# Altium PCB NURIP.PcbDoc (part 5 of 14) (continued)
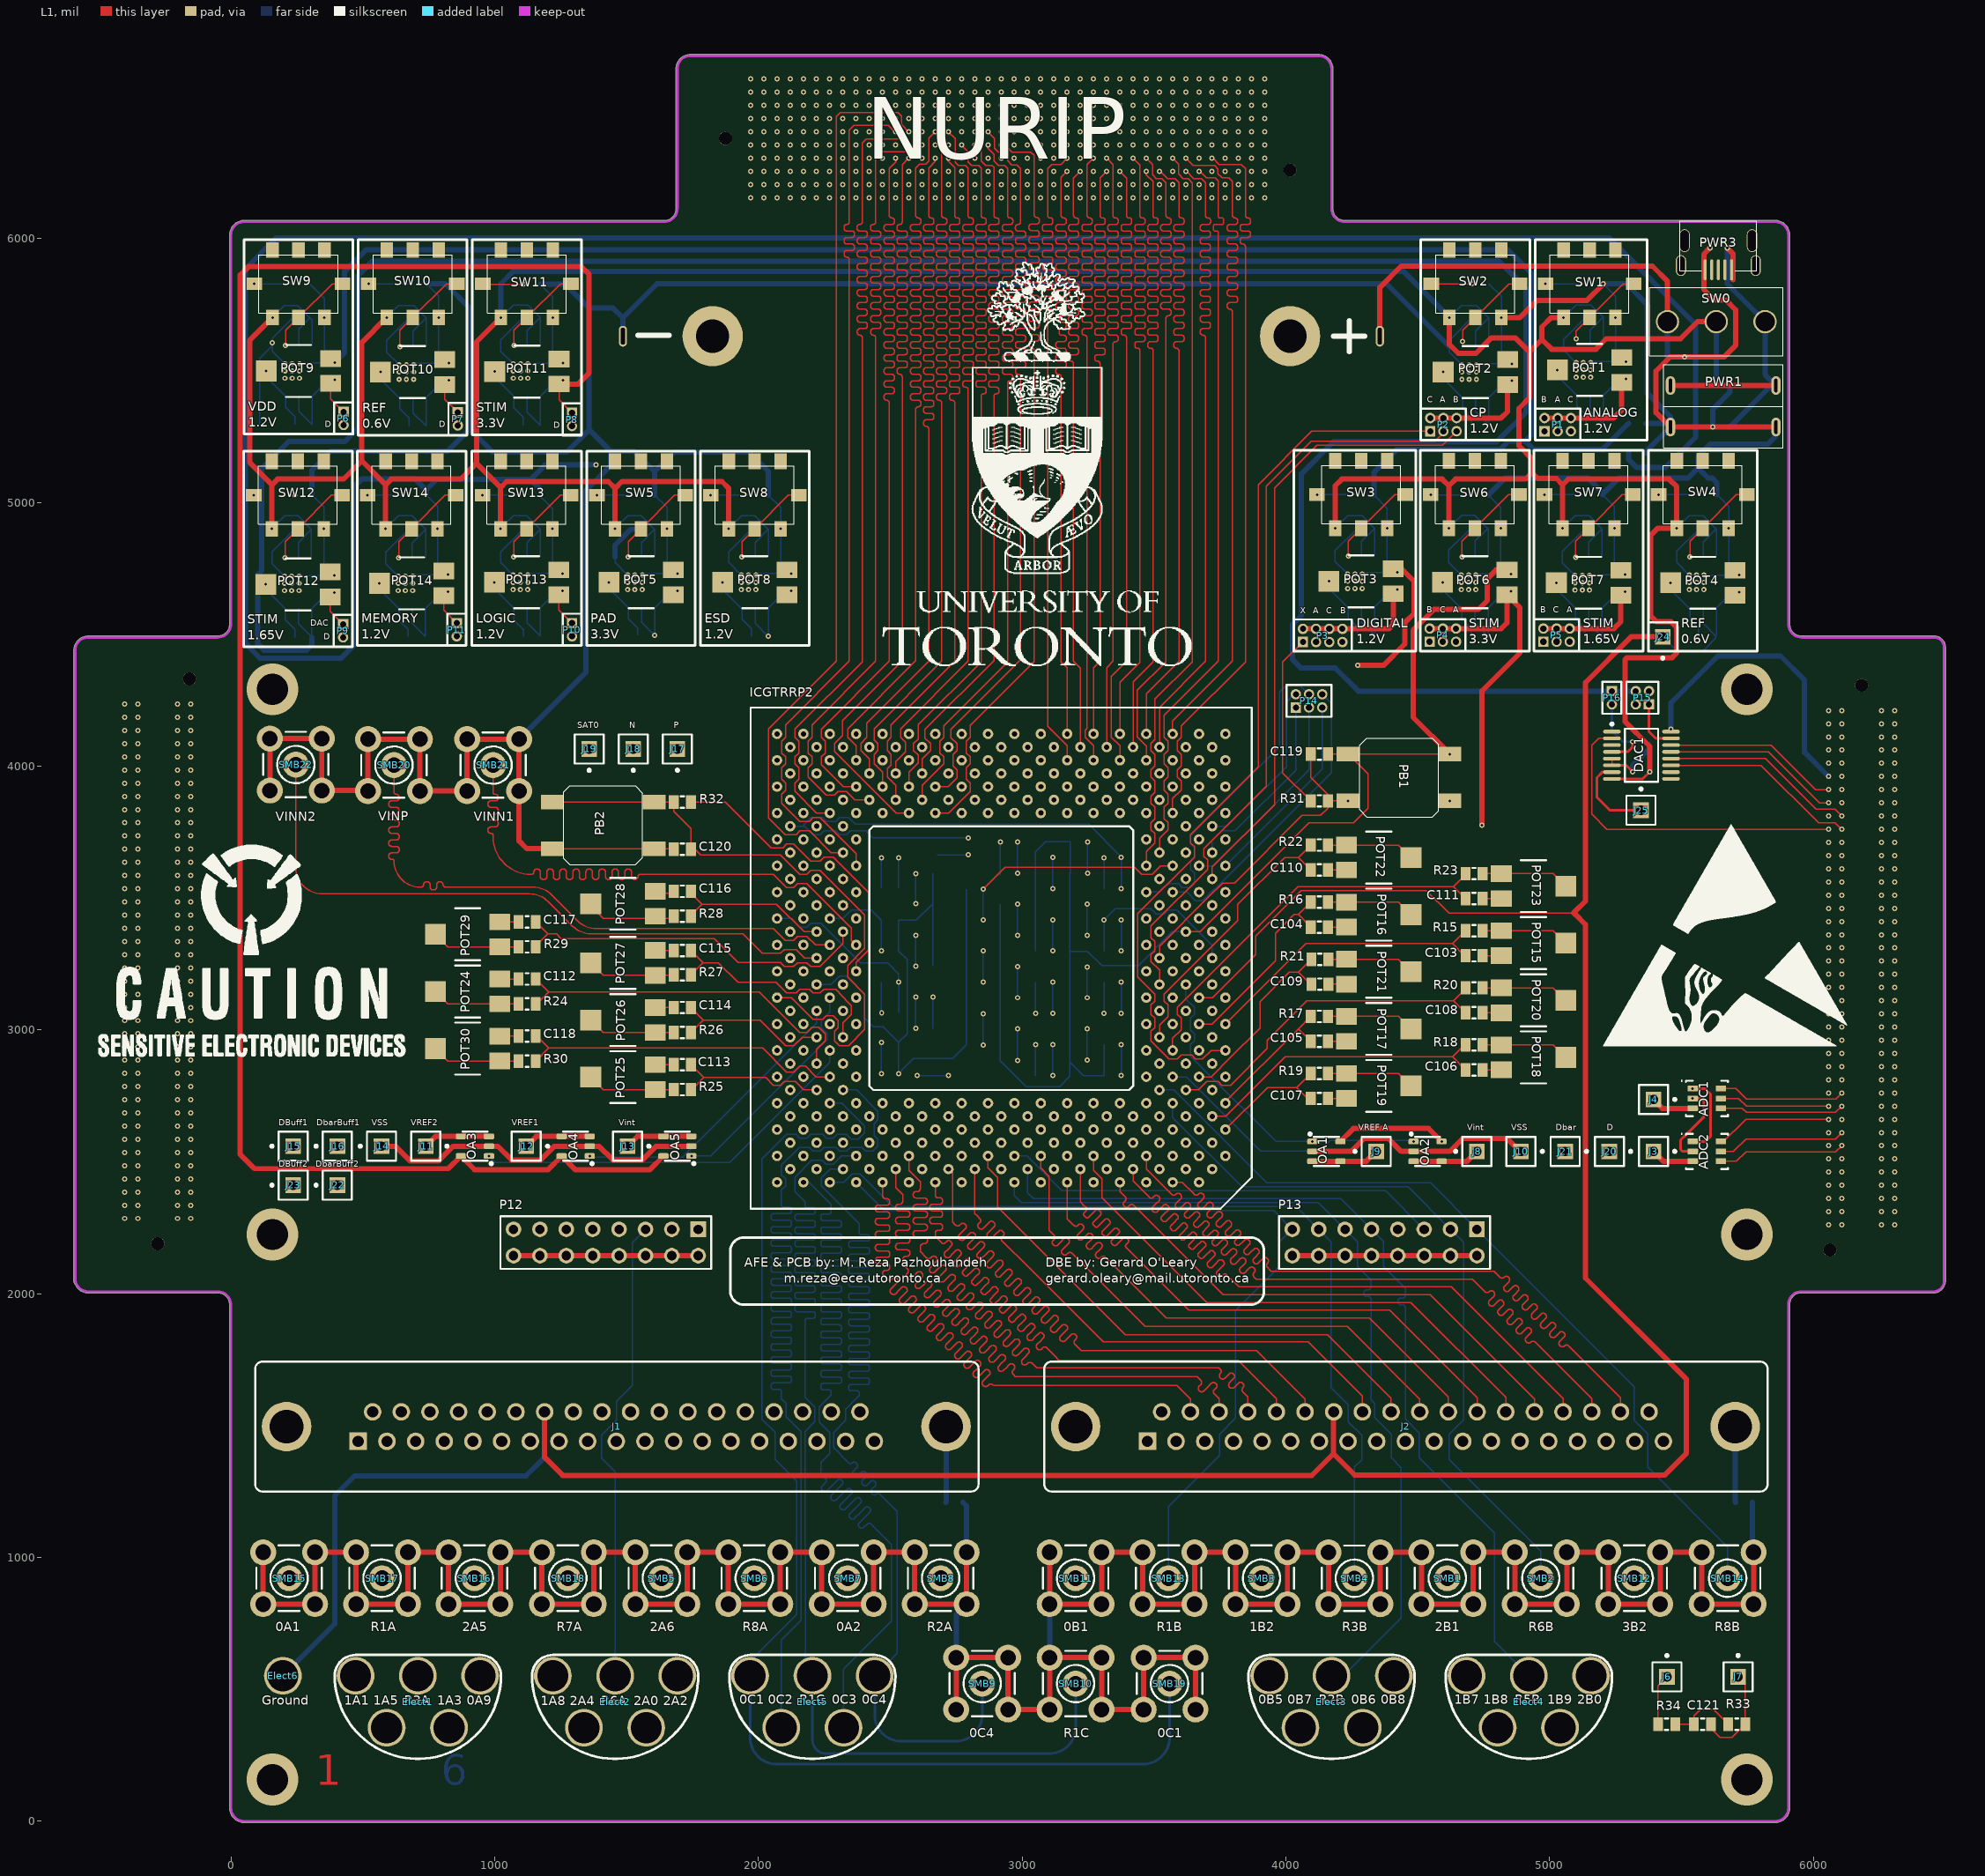
[diagram p0: L1 view]
## Nets (pads, with @x,y where several pads share a name; then routed paths per layer and width w, separated by ;. In a path a pad name is that pad's centre, name@x,y a point inside that pad or via, vN(x,y) a via of type N, cw(c..) or ccw(c..) an arc to the next point about the centre after c; other vN are vias at no path point) (continued)
2B5: ICGTRRP2.C15 J2.29 | length 2141.2
  L1 w5: ICGTRRP2.C15@3070.71,2522.2 3070.71,2476.69 3102.89,2444.5 3102.89,2239.63 3111.62,2230.9 3121.22,2221.3 cw(c3113.37,2213.44) 3121.22,2205.59 3117.44,2201.81 ccw(c3125.3,2193.96) 3117.44,2186.1 3119.19,2184.36 ccw(c3127.04,2192.21) 3134.9,2184.36 3146.53,2195.99 3158.16,2207.62 cw(c3166.02,2199.77) 3173.87,2207.62 3175.62,2205.88 cw(c3167.76,2198.02) 3175.62,2190.17 3163.99,2178.53 3152.35,2166.9 ccw(c3160.21,2159.05) 3152.35,2151.19 3154.1,2149.45 ccw(c3161.95,2157.3) 3169.81,2149.45 3173.59,2153.22 cw(c3181.44,2145.37) 3189.3,2153.22 3303.15,2039.37 3466.54,1875.98 4232.28,1875.98 4507.62,1600.65 J2.29@4507.62,1551.97
2B6: ICGTRRP2.B14 J2.11 | length 2148.5
  L5 w5: ICGTRRP2.B14@3120.71,2472.2 3120.71,2278.9 3129.44,2270.17 3139.04,2260.57 cw(c3131.18,2252.72) 3139.04,2244.86 3137.37,2243.19 ccw(c3145.22,2235.34) 3137.37,2227.48 3139.11,2225.74 ccw(c3146.97,2233.59) 3154.82,2225.74 3164.35,2235.26 3173.87,2244.78 cw(c3181.72,2236.93) 3189.58,2244.78 3191.32,2243.04 cw(c3183.47,2235.18) 3191.32,2227.33 3189.66,2225.66 ccw(c3197.51,2217.81) 3189.66,2209.95 3283.46,2116.14 3507.54,1892.07 4275.26,1892.07 4561.97,1605.35 J2.11@4561.97,1440.16
2B7: ICGTRRP2.A13 J2.30 | length 2148.5
  L1 w5: ICGTRRP2.A13@3170.71,2422.2 3170.71,2284.02 3194.88,2259.84 3195.75,2258.97 ccw(c3203.61,2266.82) 3211.46,2258.97 3213.16,2260.66 cw(c3221.01,2252.81) 3228.87,2260.66 3230.61,2258.92 cw(c3222.76,2251.06) 3230.61,2243.21 3221.06,2233.66 3211.52,2224.11 ccw(c3219.37,2216.26) 3211.52,2208.4 3213.26,2206.66 ccw(c3221.12,2214.51) 3228.97,2206.66 3238.52,2216.21 3248.07,2225.75 cw(c3255.92,2217.9) 3263.77,2225.75 3265.52,2224.01 cw(c3257.67,2216.15) 3265.52,2208.3 3255.97,2198.75 3246.43,2189.2 ccw(c3254.28,2181.35) 3246.43,2173.49 3248.17,2171.75 ccw(c3256.03,2179.6) 3263.88,2171.75 3273.43,2181.3 3282.98,2190.84 cw(c3290.83,2182.99) 3298.68,2190.84 3300.43,2189.1 cw(c3292.58,2181.24) 3300.43,2173.39 3290.88,2163.84 3281.34,2154.29 ccw(c3289.19,2146.44) 3281.34,2138.58 3283.08,2136.84 ccw(c3290.94,2144.69) 3298.79,2136.84 3300.48,2138.53 cw(c3308.34,2130.68) 3316.19,2138.53 3381.89,2072.83 3547.24,1907.48 4316.93,1907.48 4616.32,1608.09 J2.30@4616.32,1551.97
2B8: ICGTRRP2.C13 J2.12 | length 2148.5
  L5 w5: ICGTRRP2.C13@3170.71,2522.2 3170.71,2467.72 3202.89,2435.54 3202.89,2312.85 3593.68,1922.07 4353.52,1922.07 4670.67,1604.92 J2.12@4670.67,1440.16
2B9: ICGTRRP2.A5 J2.36 | length 3139.1
  L1 w5: ICGTRRP2.A5@3570.71,2422.2 3607.32,2422.2 3651.57,2377.95 3652.45,2377.08 ccw(c3660.3,2384.93) 3668.16,2377.08 3669.15,2378.07 cw(c3677.01,2370.22) 3684.86,2378.07 3686.61,2376.33 cw(c3678.75,2368.47) 3686.61,2360.62 3677.76,2351.77 3668.91,2342.92 ccw(c3676.76,2335.07) 3668.91,2327.21 3670.65,2325.47 ccw(c3678.51,2333.32) 3686.36,2325.47 3695.21,2334.32 3704.06,2343.16 cw(c3711.92,2335.31) 3719.77,2343.16 3721.52,2341.42 cw(c3713.66,2333.56) 3721.52,2325.71 3712.67,2316.86 3703.82,2308.01 ccw(c3711.67,2300.16) 3703.82,2292.3 3705.56,2290.56 ccw(c3713.42,2298.41) 3721.27,2290.56 3730.12,2299.41 3738.97,2308.25 cw(c3746.83,2300.4) 3754.68,2308.25 3756.43,2306.51 cw(c3748.57,2298.65) 3756.43,2290.8 3747.58,2281.95 3738.73,2273.1 ccw(c3746.58,2265.25) 3738.73,2257.39 3740.47,2255.65 ccw(c3748.33,2263.5) 3756.18,2255.65 3765.03,2264.5 3773.88,2273.34 cw(c3781.74,2265.49) 3789.59,2273.34 3791.34,2271.6 cw(c3783.48,2263.74) 3791.34,2255.89 3782.49,2247.04 3773.64,2238.19 ccw(c3781.49,2230.34) 3773.64,2222.48 3775.38,2220.74 ccw(c3783.24,2228.59) 3791.09,2220.74 3799.94,2229.59 3808.79,2238.43 cw(c3816.65,2230.58) 3824.5,2238.43 3826.25,2236.69 cw(c3818.39,2228.83) 3826.25,2220.98 3817.4,2212.13 3808.55,2203.28 ccw(c3816.4,2195.43) 3808.55,2187.57 3810.29,2185.83 ccw(c3818.15,2193.68) 3826,2185.83 3834.85,2194.68 3843.7,2203.52 cw(c3851.55,2195.67) 3859.41,2203.52 3861.16,2201.78 cw(c3853.3,2193.92) 3861.16,2186.07 3852.31,2177.22 3843.46,2168.37 ccw(c3851.31,2160.52) 3843.46,2152.66 3845.2,2150.92 ccw(c3853.06,2158.77) 3860.91,2150.92 3869.76,2159.77 3878.61,2168.61 cw(c3886.46,2160.76) 3894.32,2168.61 3896.06,2166.87 cw(c3888.21,2159.01) 3896.06,2151.16 3887.22,2142.31 3878.37,2133.46 ccw(c3886.22,2125.61) 3878.37,2117.75 3880.11,2116.01 ccw(c3887.97,2123.86) 3895.82,2116.01 3904.67,2124.86 3913.52,2133.7 cw(c3921.37,2125.85) 3929.23,2133.7 3930.97,2131.96 cw(c3923.12,2124.1) 3930.97,2116.25 3929.98,2115.26 ccw(c3937.84,2107.4) 3929.98,2099.55 3939.58,2089.95 3944.88,2084.65 4789.37,2084.65 4811.02,2062.99 4811.9,2062.12 ccw(c4819.75,2069.97) 4827.61,2062.12 4827.97,2062.48 cw(c4835.82,2054.63) 4843.68,2062.48 4845.42,2060.74 cw(c4837.57,2052.88) 4845.42,2045.03 4837.21,2036.81 4828.99,2028.59 ccw(c4836.84,2020.74) 4828.99,2012.88 4830.73,2011.14 ccw(c4838.59,2018.99) 4846.44,2011.14 4854.66,2019.35 4862.88,2027.57 cw(c4870.73,2019.72) 4878.59,2027.57 4880.33,2025.83 cw(c4872.48,2017.97) 4880.33,2010.12 4872.12,2001.9 4863.9,1993.68 ccw(c4871.75,1985.83) 4863.9,1977.97 4865.64,1976.23 ccw(c4873.5,1984.08) 4881.35,1976.23 4889.57,1984.45 4897.79,1992.66 cw(c4905.64,1984.81) 4913.5,1992.66 4915.24,1990.92 cw(c4907.39,1983.06) 4915.24,1975.21 4907.03,1966.99 4898.81,1958.77 ccw(c4906.66,1950.92) 4898.81,1943.06 4900.55,1941.32 ccw(c4908.41,1949.17) 4916.26,1941.32 4924.48,1949.54 4932.7,1957.75 cw(c4940.55,1949.9) 4948.41,1957.75 4950.15,1956.01 cw(c4942.3,1948.15) 4950.15,1940.3 4941.94,1932.08 4933.72,1923.86 ccw(c4941.57,1916.01) 4933.72,1908.15 4935.46,1906.41 ccw(c4943.32,1914.26) 4951.17,1906.41 4959.39,1914.63 4967.61,1922.84 cw(c4975.46,1914.99) 4983.32,1922.84 4985.06,1921.1 cw(c4977.21,1913.24) 4985.06,1905.39 4976.85,1897.17 4968.63,1888.95 ccw(c4976.48,1881.1) 4968.63,1873.24 4970.37,1871.5 ccw(c4978.23,1879.35) 4986.08,1871.5 4994.3,1879.72 5002.52,1887.93 cw(c5010.37,1880.08) 5018.23,1887.93 5019.97,1886.19 cw(c5012.12,1878.33) 5019.97,1870.48 5011.76,1862.26 5003.54,1854.04 ccw(c5011.39,1846.19) 5003.54,1838.33 5005.28,1836.59 ccw(c5013.14,1844.44) 5020.99,1836.59 5029.21,1844.81 5037.43,1853.02 cw(c5045.28,1845.17) 5053.14,1853.02 5054.88,1851.28 cw(c5047.03,1843.42) 5054.88,1835.57 5046.67,1827.35 5038.45,1819.13 ccw(c5046.3,1811.28) 5038.45,1803.42 5040.19,1801.68 ccw(c5048.05,1809.53) 5055.9,1801.68 5056.27,1802.04 cw(c5064.12,1794.19) 5071.97,1802.04 5118.11,1755.91 5268.52,1605.49 J2.36@5268.52,1551.97
3A0: ICGTRRP2.E17 J1.10 | length 3333.7
  L3 w5: J1.10@1461.14,1440.16 1461.14,1610.75 1726.02,1875.63 1738.19,1875.63 1789.84,1875.63 cw(c1789.84,1872.97) 1792.5,1872.97 ; 1792.5,1872.98 1792.5,1873.15 ccw(c1804.84,1873.16) 1804.84,1860.82 ccw(c1804.84,1873.16) 1817.19,1873.16 1817.19,1875.63 1817.19,1878.1 cw(c1829.53,1878.1) 1829.53,1890.44 cw(c1829.53,1878.1) 1841.87,1878.1 1841.87,1875.63 1841.87,1873.16 ccw(c1854.21,1873.16) 1854.21,1860.82 ccw(c1854.21,1873.16) 1866.56,1873.16 1866.56,1875.63 1866.56,1878.1 cw(c1878.9,1878.1) 1878.9,1890.44 cw(c1878.9,1878.1) 1891.24,1878.1 1891.24,1875.63 1891.24,1873.16 ccw(c1903.58,1873.16) 1903.58,1860.82 ccw(c1903.58,1873.16) 1915.93,1873.16 1915.93,1875.63 1915.93,1878.1 cw(c1928.27,1878.1) 1928.27,1890.44 cw(c1928.27,1878.1) 1940.61,1878.1 1940.61,1875.63 1940.61,1873.16 ccw(c1952.95,1873.16) 1952.95,1860.82 ccw(c1952.95,1873.16) 1965.3,1873.16 1965.3,1875.63 1965.3,1878.1 cw(c1977.64,1878.1) 1977.64,1890.44 cw(c1977.64,1878.1) 1989.98,1878.1 1989.98,1875.63 1989.98,1873.16 ccw(c2002.32,1873.16) 2002.32,1860.82 ccw(c2002.32,1873.16) 2014.67,1873.16 2014.67,1875.63 2014.67,1878.1 cw(c2027.01,1878.1) 2027.01,1890.44 cw(c2027.01,1878.1) 2039.35,1878.1 2039.35,1875.63 2039.35,1873.16 ccw(c2051.69,1873.16) 2051.69,1860.82 ccw(c2051.69,1873.16) 2064.04,1873.16 2064.04,1875.63 2064.04,1878.1 cw(c2076.38,1878.1) 2076.38,1890.44 cw(c2076.38,1878.1) 2088.72,1878.1 2088.72,1875.63 2088.72,1873.16 ccw(c2101.06,1873.16) 2101.06,1860.82 ccw(c2101.06,1873.16) 2113.41,1873.16 2113.41,1875.63 2113.41,1878.1 cw(c2125.75,1878.1) 2125.75,1890.44 cw(c2125.75,1878.1) 2138.09,1878.1 2138.09,1875.63 2138.09,1873.16 ccw(c2150.43,1873.16) 2150.43,1860.82 ccw(c2150.43,1873.16) 2162.78,1873.16 2162.78,1875.63 2162.78,1878.1 cw(c2175.12,1878.1) 2175.12,1890.44 cw(c2175.12,1878.1) 2187.46,1878.1 2187.46,1875.63 2187.46,1873.16 ccw(c2199.8,1873.16) 2199.8,1860.82 ccw(c2199.8,1873.16) 2212.15,1873.16 2212.15,1875.63 2212.15,1878.1 cw(c2224.49,1878.1) 2224.49,1890.44 cw(c2224.49,1878.1) 2236.83,1878.1 2236.83,1875.63 2236.83,1873.16 ccw(c2249.17,1873.16) 2249.17,1860.82 ccw(c2249.17,1873.16) 2261.52,1873.16 2261.52,1875.63 2261.52,1878.1 cw(c2273.86,1878.1) 2273.86,1890.44 cw(c2273.86,1878.1) 2286.2,1878.1 2286.2,1875.63 2286.2,1873.16 ccw(c2298.54,1873.16) 2298.54,1860.82 ccw(c2298.54,1873.16) 2310.89,1873.16 2310.89,1875.63 2310.89,1878.1 cw(c2323.23,1878.1) 2323.23,1890.44 cw(c2323.23,1878.1) 2335.57,1878.1 2335.57,1875.63 2335.57,1872.97 ccw(c2347.91,1872.97) 2347.91,1860.63 ccw(c2347.91,1872.97) 2360.26,1872.97 cw(c2362.92,1872.97) 2362.92,1875.63 2384.94,1875.63 2397.28,1875.63 2401.36,1879.7 2413.62,1891.97 ccw(c2408.43,1897.16) 2413.62,1902.35 ; 2413.63,1902.34 2413.75,1902.22 cw(c2422.48,1910.94) 2413.75,1919.67 cw(c2422.48,1910.94) 2431.21,1919.67 2436.27,1914.61 2441.32,1909.56 ccw(c2450.05,1918.28) 2458.78,1909.56 ccw(c2450.05,1918.28) 2458.78,1927.01 2453.72,1932.07 2448.66,1937.12 cw(c2457.39,1945.85) 2448.66,1954.58 cw(c2457.39,1945.85) 2466.12,1954.58 2471.18,1949.52 2476.23,1944.47 ccw(c2484.96,1953.19) 2493.69,1944.47 ccw(c2484.96,1953.19) 2493.69,1961.92 2488.63,1966.98 2483.57,1972.03 cw(c2492.3,1980.76) 2483.57,1989.49 cw(c2492.3,1980.76) 2501.03,1989.49 2506.09,1984.43 2511.14,1979.38 ccw(c2519.87,1988.1) 2528.6,1979.38 ccw(c2519.87,1988.1) 2528.6,1996.83 2523.54,2001.89 2518.48,2006.94 cw(c2527.21,2015.67) 2518.48,2024.4 cw(c2527.21,2015.67) 2535.94,2024.4 2541,2019.34 2546.05,2014.29 ccw(c2554.78,2023.01) 2563.51,2014.29 ccw(c2554.78,2023.01) 2563.51,2031.74 2558.45,2036.8 2553.39,2041.85 cw(c2562.12,2050.58) 2553.39,2059.31 cw(c2562.12,2050.58) 2570.85,2059.31 2575.91,2054.25 2580.96,2049.2 ccw(c2589.69,2057.92) 2598.42,2049.2 ccw(c2589.69,2057.92) 2598.42,2066.65 2593.36,2071.71 2588.3,2076.76 cw(c2597.03,2085.49) 2588.3,2094.22 cw(c2597.03,2085.49) 2605.76,2094.22 2610.82,2089.16 2615.87,2084.1 ccw(c2624.6,2092.83) 2633.33,2084.1 ccw(c2624.6,2092.83) 2633.33,2101.56 2628.27,2106.62 2623.21,2111.67 cw(c2631.94,2120.4) 2623.21,2129.13 cw(c2631.94,2120.4) 2640.67,2129.13 2645.73,2124.07 2650.78,2119.01 ccw(c2659.51,2127.74) 2668.24,2119.01 ccw(c2659.51,2127.74) 2668.24,2136.47 2663.18,2141.53 2658.12,2146.58 cw(c2666.85,2155.31) 2658.12,2164.04 cw(c2666.85,2155.31) 2675.58,2164.04 2680.63,2158.98 2685.69,2153.92 ccw(c2694.42,2162.65) 2703.15,2153.92 ccw(c2694.42,2162.65) 2703.15,2171.38 2698.09,2176.44 2693.03,2181.49 cw(c2701.76,2190.22) 2693.03,2198.95 cw(c2701.76,2190.22) 2710.49,2198.95 2715.54,2193.89 2720.6,2188.83 ccw(c2729.33,2197.56) 2738.06,2188.83 ccw(c2729.33,2197.56) 2738.06,2206.29 2733,2211.35 2727.94,2216.4 cw(c2736.67,2225.13) 2727.94,2233.86 cw(c2736.67,2225.13) 2745.4,2233.86 2750.45,2228.8 2755.51,2223.74 ccw(c2764.24,2232.47) 2772.97,2223.74 ccw(c2764.24,2232.47) 2772.97,2241.2 2767.91,2246.26 2762.85,2251.31 cw(c2771.58,2260.04) 2762.85,2268.77 cw(c2771.58,2260.04) 2780.31,2268.77 2785.36,2263.71 2790.42,2258.65 ccw(c2799.15,2267.38) 2807.88,2258.65 ccw(c2799.15,2267.38) 2807.88,2276.11 2802.82,2281.17 2797.63,2286.36 cw(c2806.35,2295.09) 2797.63,2303.81 cw(c2806.35,2295.09) 2815.08,2303.81 ccw(c2820.27,2309) 2825.47,2303.81 2837.73,2316.08 2846.46,2324.8 2846.46,2400.94 2838.52,2408.87 2838.52,2435.54 2852.89,2449.91 2852.89,2485.54 2838.52,2499.91 2838.52,2543.25 2917.48,2622.2 ICGTRRP2.E17@2970.71,2622.2
3A1: ICGTRRP2.D20 J1.28 | length 3125.3
  L4 w5: J1.28@1406.79,1551.97 1406.79,1609.55 1411.49,1614.24 cw(c1418.43,1607.31) 1425.36,1614.24 1425.04,1614.57 ; 1425.01,1614.59 ccw(c1432,1621.57) 1438.98,1614.59 1442.47,1618.08 ccw(c1435.49,1625.07) 1442.47,1632.05 1435.88,1638.64 1429.29,1645.22 cw(c1436.27,1652.21) 1429.29,1659.19 1432.78,1662.68 cw(c1439.76,1655.7) 1446.75,1662.68 1453.33,1656.09 1459.92,1649.5 ccw(c1466.91,1656.48) 1473.89,1649.5 1477.38,1652.99 ccw(c1470.4,1659.97) 1477.38,1666.96 1470.79,1673.55 1464.2,1680.13 cw(c1471.18,1687.12) 1464.2,1694.1 1467.69,1697.59 cw(c1474.67,1690.61) 1481.66,1697.59 1488.24,1691 1494.83,1684.41 ccw(c1501.82,1691.39) 1508.8,1684.41 1512.29,1687.9 ccw(c1505.31,1694.88) 1512.29,1701.87 1505.7,1708.46 1499.11,1715.04 cw(c1506.09,1722.03) 1499.11,1729.01 1502.6,1732.5 cw(c1509.58,1725.52) 1516.57,1732.5 1523.15,1725.91 1529.74,1719.32 ccw(c1536.73,1726.3) 1543.71,1719.32 1547.2,1722.81 ccw(c1540.22,1729.79) 1547.2,1736.78 1540.61,1743.37 1534.02,1749.95 cw(c1541,1756.94) 1534.02,1763.92 1537.51,1767.41 cw(c1544.49,1760.43) 1551.48,1767.41 1558.06,1760.82 1564.65,1754.23 ccw(c1571.64,1761.21) 1578.62,1754.23 1582.11,1757.72 ccw(c1575.13,1764.7) 1582.11,1771.69 1575.52,1778.28 1568.93,1784.86 cw(c1575.91,1791.85) 1568.93,1798.83 1572.42,1802.32 cw(c1579.4,1795.34) 1586.39,1802.32 1592.97,1795.73 1599.56,1789.14 ccw(c1606.55,1796.12) 1613.53,1789.14 1617.02,1792.63 ccw(c1610.04,1799.61) 1617.02,1806.6 1610.43,1813.19 1603.84,1819.77 cw(c1610.82,1826.76) 1603.84,1833.74 1607.33,1837.23 cw(c1614.31,1830.25) 1621.3,1837.23 1627.88,1830.64 1634.47,1824.05 ccw(c1641.45,1831.03) 1648.44,1824.05 1651.93,1827.54 ccw(c1644.95,1834.52) 1651.93,1841.51 1645.34,1848.09 1638.4,1855.03 cw(c1645.38,1862.01) 1638.4,1869 1641.89,1872.49 cw(c1648.87,1865.51) 1655.86,1872.49 ccw(c1662.79,1879.42) 1669.73,1872.49 1680.25,1883 1688.98,1891.73 2360.24,1891.73 2368.31,1899.81 ccw(c2361.37,1906.74) 2368.31,1913.68 cw(c2375.29,1920.66) 2368.31,1927.65 2371.8,1931.14 cw(c2378.78,1924.15) 2385.77,1931.14 2392.7,1924.2 2399.64,1917.26 ccw(c2406.62,1924.24) 2413.6,1917.26 2417.1,1920.75 ccw(c2410.11,1927.73) 2417.1,1934.72 2410.16,1941.65 2403.22,1948.59 cw(c2410.2,1955.57) 2403.22,1962.56 2406.71,1966.05 cw(c2413.69,1959.06) 2420.68,1966.05 2427.61,1959.11 2434.55,1952.17 ccw(c2441.53,1959.15) 2448.51,1952.17 2452.01,1955.66 ccw(c2445.02,1962.64) 2452.01,1969.63 2445.07,1976.56 2438.13,1983.5 cw(c2445.11,1990.48) 2438.13,1997.47 2441.62,2000.96 cw(c2448.6,1993.97) 2455.59,2000.96 2462.52,1994.02 2469.46,1987.08 ccw(c2476.44,1994.06) 2483.42,1987.08 2486.91,1990.57 ccw(c2479.93,1997.55) 2486.91,2004.54 2479.98,2011.47 2473.04,2018.41 cw(c2480.02,2025.39) 2473.04,2032.38 2476.53,2035.87 cw(c2483.51,2028.88) 2490.5,2035.87 2497.43,2028.93 2504.37,2021.99 ccw(c2511.35,2028.97) 2518.33,2021.99 2521.82,2025.48 ccw(c2514.84,2032.46) 2521.82,2039.45 2514.89,2046.38 2507.95,2053.32 cw(c2514.93,2060.3) 2507.95,2067.28 2511.44,2070.78 cw(c2518.42,2063.79) 2525.4,2070.78 2532.34,2063.84 2539.28,2056.9 ccw(c2546.26,2063.88) 2553.24,2056.9 2556.73,2060.39 ccw(c2549.75,2067.37) 2556.73,2074.36 2549.8,2081.29 2542.86,2088.23 cw(c2549.84,2095.21) 2542.86,2102.19 2546.35,2105.69 cw(c2553.33,2098.7) 2560.31,2105.69 2567.25,2098.75 2574.19,2091.81 ccw(c2581.17,2098.79) 2588.15,2091.81 2591.64,2095.3 ccw(c2584.66,2102.28) 2591.64,2109.27 2584.71,2116.2 2577.77,2123.14 cw(c2584.75,2130.12) 2577.77,2137.1 2581.26,2140.6 cw(c2588.24,2133.61) 2595.22,2140.6 2602.16,2133.66 2609.1,2126.72 ccw(c2616.08,2133.7) 2623.06,2126.72 2626.55,2130.21 ccw(c2619.57,2137.19) 2626.55,2144.18 2619.62,2151.11 2612.68,2158.05 cw(c2619.66,2165.03) 2612.68,2172.01 2616.17,2175.51 cw(c2623.15,2168.52) 2630.13,2175.51 2637.07,2168.57 2644.01,2161.63 ccw(c2650.99,2168.61) 2657.97,2161.63 2661.46,2165.12 ccw(c2654.48,2172.1) 2661.46,2179.09 2654.53,2186.02 2647.59,2192.96 cw(c2654.57,2199.94) 2647.59,2206.92 2651.08,2210.42 cw(c2658.06,2203.43) 2665.04,2210.42 2671.98,2203.48 2678.92,2196.54 ccw(c2685.9,2203.52) 2692.88,2196.54 2696.37,2200.03 ccw(c2689.39,2207.01) 2696.37,2214 2689.44,2220.93 2682.5,2227.87 cw(c2689.48,2234.85) 2682.5,2241.83 2685.99,2245.33 cw(c2692.97,2238.34) 2699.95,2245.33 2706.89,2238.39 2713.83,2231.45 ccw(c2720.81,2238.43) 2727.79,2231.45 2731.28,2234.94 ccw(c2724.3,2241.92) 2731.28,2248.91 2724.35,2255.84 2717.41,2262.78 cw(c2724.39,2269.76) 2717.41,2276.74 2720.9,2280.24 cw(c2727.88,2273.25) 2734.86,2280.24 2741.8,2273.3 2748.74,2266.36 ccw(c2755.72,2273.34) 2762.7,2266.36 2766.19,2269.85 ccw(c2759.21,2276.83) 2766.19,2283.82 2759.26,2290.75 2752.32,2297.69 cw(c2759.3,2304.67) 2752.32,2311.65 2755.81,2315.14 cw(c2762.79,2308.16) 2769.77,2315.14 ccw(c2776.71,2322.08) 2783.65,2315.14 2794.17,2325.66 2802.89,2334.39 2802.89,2444.5 2788.52,2458.87 2788.52,2485.54 2820.71,2517.72 ICGTRRP2.D20@2820.71,2572.2
3A2: ICGTRRP2.E15 J1.12 | length 3333.4
  L3 w5: J1.12@1678.54,1440.16 1678.54,1607.68 1882.87,1812.01 1886.5,1815.63 1930.63,1815.63 ccw(c1930.63,1818.29) 1933.29,1818.29 1933.29,1818.1 cw(c1945.63,1818.09) 1945.63,1830.43 cw(c1945.63,1818.09) 1957.97,1818.09 1957.97,1815.63 1957.97,1813.17 ccw(c1970.32,1813.17) 1970.32,1800.83 ccw(c1970.32,1813.17) 1982.66,1813.17 1982.66,1815.63 1982.66,1818.09 cw(c1995,1818.09) 1995,1830.43 cw(c1995,1818.09) 2007.34,1818.09 2007.34,1815.63 2007.34,1813.17 ccw(c2019.69,1813.17) 2019.69,1800.83 ccw(c2019.69,1813.17) 2032.03,1813.17 2032.03,1815.63 2032.03,1818.09 cw(c2044.37,1818.09) 2044.37,1830.43 cw(c2044.37,1818.09) 2056.71,1818.09 2056.71,1815.63 2056.71,1813.17 ccw(c2069.06,1813.17) 2069.06,1800.83 ccw(c2069.06,1813.17) 2081.4,1813.17 2081.4,1815.63 2081.4,1818.09 cw(c2093.74,1818.09) 2093.74,1830.43 cw(c2093.74,1818.09) 2106.08,1818.09 2106.08,1815.63 2106.08,1813.17 ccw(c2118.43,1813.17) 2118.43,1800.83 ccw(c2118.43,1813.17) 2130.77,1813.17 2130.77,1815.63 2130.77,1818.09 cw(c2143.11,1818.09) 2143.11,1830.43 cw(c2143.11,1818.09) 2155.45,1818.09 2155.45,1815.63 2155.45,1813.17 ccw(c2167.8,1813.17) 2167.8,1800.83 ccw(c2167.8,1813.17) 2180.14,1813.17 2180.14,1815.63 2180.14,1818.09 cw(c2192.48,1818.09) 2192.48,1830.43 cw(c2192.48,1818.09) 2204.82,1818.09 2204.82,1815.63 2204.82,1813.17 ccw(c2217.17,1813.17) 2217.17,1800.83 ccw(c2217.17,1813.17) 2229.51,1813.17 2229.51,1815.63 2229.51,1818.09 cw(c2241.85,1818.09) 2241.85,1830.43 cw(c2241.85,1818.09) 2254.19,1818.09 2254.19,1815.63 2254.19,1813.17 ccw(c2266.54,1813.17) 2266.54,1800.83 ccw(c2266.54,1813.17) 2278.88,1813.17 2278.88,1815.63 2278.88,1818.09 cw(c2291.22,1818.09) 2291.22,1830.43 cw(c2291.22,1818.09) 2303.56,1818.09 2303.56,1815.63 2303.56,1813.17 ccw(c2315.91,1813.17) 2315.91,1800.83 ccw(c2315.91,1813.17) 2328.25,1813.17 2328.25,1815.63 2328.25,1818.09 cw(c2340.59,1818.09) 2340.59,1830.43 cw(c2340.59,1818.09) 2352.93,1818.09 2352.93,1815.63 2352.93,1813.17 ccw(c2365.28,1813.17) 2365.28,1800.83 ccw(c2365.28,1813.17) 2377.62,1813.17 2377.62,1815.63 2377.62,1818.09 cw(c2389.96,1818.09) 2389.96,1830.43 cw(c2389.96,1818.09) 2402.3,1818.09 2402.3,1815.63 2402.3,1813.17 ccw(c2414.65,1813.17) 2414.65,1800.83 ccw(c2414.65,1813.17) 2426.99,1813.17 2426.99,1815.63 2426.99,1818.09 cw(c2439.33,1818.09) 2439.33,1830.43 cw(c2439.33,1818.09) 2451.67,1818.09 2451.67,1815.63 2451.67,1813.17 ccw(c2464.02,1813.17) 2464.02,1800.83 ccw(c2464.02,1813.17) 2476.36,1813.17 2476.36,1815.63 2476.36,1822.97 cw(c2488.7,1822.97) 2488.7,1835.31 cw(c2488.7,1822.97) 2501.04,1822.97 ccw(c2508.39,1822.97) 2508.39,1815.63 2525.73,1815.63 2538.07,1815.63 2547.81,1825.37 2560.07,1837.63 cw(c2565.27,1832.44) 2570.46,1837.63 2570.32,1837.77 ccw(c2579.04,1846.5) 2587.77,1837.77 ccw(c2579.04,1846.5) 2587.77,1855.23 2582.72,1860.28 2577.67,1865.33 cw(c2586.4,1874.06) 2577.67,1882.79 cw(c2586.4,1874.06) 2595.12,1882.79 2600.17,1877.73 2605.23,1872.68 ccw(c2613.95,1881.41) 2622.68,1872.68 ccw(c2613.95,1881.41) 2622.68,1890.14 2617.63,1895.19 2612.58,1900.24 cw(c2621.31,1908.97) 2612.58,1917.7 cw(c2621.31,1908.97) 2630.03,1917.7 2635.08,1912.64 2640.14,1907.59 ccw(c2648.86,1916.32) 2657.59,1907.59 ccw(c2648.86,1916.32) 2657.59,1925.05 2652.54,1930.1 2647.49,1935.15 cw(c2656.22,1943.88) 2647.49,1952.61 cw(c2656.22,1943.88) 2664.94,1952.61 2669.99,1947.55 2675.05,1942.5 ccw(c2683.77,1951.23) 2692.5,1942.5 ccw(c2683.77,1951.23) 2692.5,1959.96 2687.45,1965.01 2682.4,1970.06 cw(c2691.13,1978.79) 2682.4,1987.52 cw(c2691.13,1978.79) 2699.85,1987.52 2704.9,1982.46 2709.96,1977.41 ccw(c2718.68,1986.14) 2727.41,1977.41 ccw(c2718.68,1986.14) 2727.41,1994.87 2722.36,1999.92 2717.31,2004.97 cw(c2726.03,2013.7) 2717.31,2022.43 cw(c2726.03,2013.7) 2734.76,2022.43 2739.81,2017.37 2744.87,2012.32 ccw(c2753.59,2021.05) 2762.32,2012.32 ccw(c2753.59,2021.05) 2762.32,2029.78 2757.27,2034.83 2752.22,2039.88 cw(c2760.94,2048.61) 2752.22,2057.34 cw(c2760.94,2048.61) 2769.67,2057.34 2774.72,2052.28 2779.78,2047.23 ccw(c2788.5,2055.96) 2797.23,2047.23 ccw(c2788.5,2055.96) 2797.23,2064.69 2792.18,2069.74 2787.13,2074.79 cw(c2795.85,2083.52) 2787.13,2092.24 cw(c2795.85,2083.52) 2804.58,2092.24 2809.63,2087.19 2814.69,2082.14 ccw(c2823.41,2090.87) 2832.14,2082.14 ccw(c2823.41,2090.87) 2832.14,2099.6 2827.09,2104.65 2822.04,2109.7 cw(c2830.76,2118.43) 2822.04,2127.15 cw(c2830.76,2118.43) 2839.49,2127.15 2844.54,2122.1 2849.6,2117.05 ccw(c2858.32,2125.78) 2867.05,2117.05 ccw(c2858.32,2125.78) 2867.05,2134.51 2862,2139.56 2856.95,2144.61 cw(c2865.67,2153.34) 2856.95,2162.06 cw(c2865.67,2153.34) 2874.4,2162.06 2879.45,2157.01 2884.51,2151.96 ccw(c2893.23,2160.69) 2901.96,2151.96 ccw(c2893.23,2160.69) 2901.96,2169.42 2896.91,2174.47 2891.86,2179.52 cw(c2900.58,2188.25) 2891.86,2196.97 cw(c2900.58,2188.25) 2909.31,2196.97 2914.36,2191.92 2919.42,2186.87 ccw(c2928.14,2195.6) 2936.87,2186.87 ccw(c2928.14,2195.6) 2936.87,2204.33 2931.82,2209.38 2926.77,2214.43 cw(c2935.49,2223.16) 2926.77,2231.88 cw(c2935.49,2223.16) 2944.22,2231.88 2949.27,2226.83 2954.33,2221.78 ccw(c2963.05,2230.51) 2971.78,2221.78 ccw(c2963.05,2230.51) 2971.78,2239.24 2966.73,2244.29 2961.68,2249.34 cw(c2970.4,2258.07) 2961.68,2266.79 cw(c2970.4,2258.07) 2979.13,2266.79 2984.18,2261.74 2989.24,2256.69 ccw(c2997.96,2265.42) 3006.69,2256.69 ccw(c2997.96,2265.42) 3006.69,2274.15 3001.64,2279.2 2996.45,2284.39 cw(c3005.17,2293.12) 2996.45,2301.84 cw(c3005.17,2293.12) 3013.9,2301.84 ccw(c3019.09,2307.04) 3024.29,2301.84 3036.55,2314.11 3045.28,2322.83 3045.28,2402.12 3038.52,2408.87 3038.52,2435.54 3052.89,2449.91 3052.89,2490.02 3038.52,2504.39 3038.52,2535.54 3070.71,2567.72 ICGTRRP2.E15@3070.71,2622.2
3B0: ICGTRRP2.B6 J2.17 | length 3131.9
  L5 w5: ICGTRRP2.B6@3520.71,2472.2 3538.52,2454.39 3538.52,2408.87 3569.44,2377.95 3622.05,2377.95 3630.77,2369.23 3640.37,2359.63 cw(c3632.52,2351.77) 3640.37,2343.92 3636.89,2340.43 ccw(c3644.75,2332.58) 3636.89,2324.72 3638.64,2322.98 ccw(c3646.49,2330.83) 3654.35,2322.98 3665.68,2334.32 3677.32,2345.95 cw(c3685.17,2338.09) 3693.03,2345.95 3694.77,2344.2 cw(c3686.92,2336.35) 3694.77,2328.49 3683.14,2316.86 3671.8,2305.52 ccw(c3679.66,2297.67) 3671.8,2289.81 3673.55,2288.07 ccw(c3681.4,2295.92) 3689.26,2288.07 3700.59,2299.41 3712.23,2311.04 cw(c3720.08,2303.18) 3727.94,2311.04 3729.68,2309.29 cw(c3721.83,2301.44) 3729.68,2293.58 3718.05,2281.95 3706.71,2270.61 ccw(c3714.57,2262.76) 3706.71,2254.9 3708.46,2253.16 ccw(c3716.31,2261.01) 3724.17,2253.16 3735.5,2264.5 3747.14,2276.13 cw(c3754.99,2268.27) 3762.85,2276.13 3764.59,2274.38 cw(c3756.74,2266.53) 3764.59,2258.67 3752.96,2247.04 3741.62,2235.7 ccw(c3749.48,2227.85) 3741.62,2219.99 3743.37,2218.25 ccw(c3751.22,2226.1) 3759.08,2218.25 3770.41,2229.59 3782.05,2241.22 cw(c3789.9,2233.36) 3797.76,2241.22 3799.5,2239.47 cw(c3791.65,2231.62) 3799.5,2223.76 3787.87,2212.13 3776.53,2200.79 ccw(c3784.39,2192.94) 3776.53,2185.09 3778.28,2183.34 ccw(c3786.13,2191.19) 3793.99,2183.34 3805.32,2194.68 3816.96,2206.31 cw(c3824.81,2198.45) 3832.67,2206.31 3834.41,2204.56 cw(c3826.56,2196.71) 3834.41,2188.85 3822.78,2177.22 3811.44,2165.88 ccw(c3819.3,2158.03) 3811.44,2150.17 3813.19,2148.43 ccw(c3821.04,2156.28) 3828.9,2148.43 3840.23,2159.77 3851.87,2171.4 cw(c3859.72,2163.54) 3867.58,2171.4 3869.32,2169.65 cw(c3861.47,2161.8) 3869.32,2153.94 3857.69,2142.31 3846.06,2130.68 ccw(c3853.91,2122.82) 3846.06,2114.97 3847.8,2113.22 ccw(c3855.66,2121.08) 3863.51,2113.22 3875.14,2124.86 3886.78,2136.49 cw(c3894.63,2128.63) 3902.49,2136.49 3904.23,2134.74 cw(c3896.38,2126.89) 3904.23,2119.03 3892.6,2107.4 3880.97,2095.77 ccw(c3888.82,2087.91) 3880.97,2080.06 3882.71,2078.31 ccw(c3890.57,2086.17) 3898.42,2078.31 3902.78,2082.68 cw(c3910.05,2075.41) 3917.32,2082.68 3927.93,2072.07 4746.83,2072.07 4764.76,2054.13 4765.64,2053.26 ccw(c4773.49,2061.12) 4781.35,2053.26 4785.12,2057.04 cw(c4792.98,2049.18) 4800.83,2057.04 4802.58,2055.29 cw(c4794.72,2047.44) 4802.58,2039.58 4790.95,2027.95 4779.31,2016.32 ccw(c4787.17,2008.46) 4779.31,2000.61 4781.06,1998.86 ccw(c4788.91,2006.72) 4796.77,1998.86 4808.4,2010.5 4820.03,2022.13 cw(c4827.89,2014.27) 4835.74,2022.13 4837.49,2020.38 cw(c4829.63,2012.53) 4837.49,2004.67 4825.86,1993.04 4814.22,1981.41 ccw(c4822.08,1973.55) 4814.22,1965.7 4815.97,1963.95 ccw(c4823.82,1971.81) 4831.68,1963.95 4843.31,1975.59 4854.94,1987.22 cw(c4862.8,1979.36) 4870.65,1987.22 4872.4,1985.47 cw(c4864.54,1977.62) 4872.4,1969.76 4868.62,1965.99 ccw(c4876.48,1958.13) 4868.62,1950.28 5015.75,1803.15 5214.17,1604.72 J2.17@5214.17,1440.16